# KiCad board panel.kicad_pcb (continued)
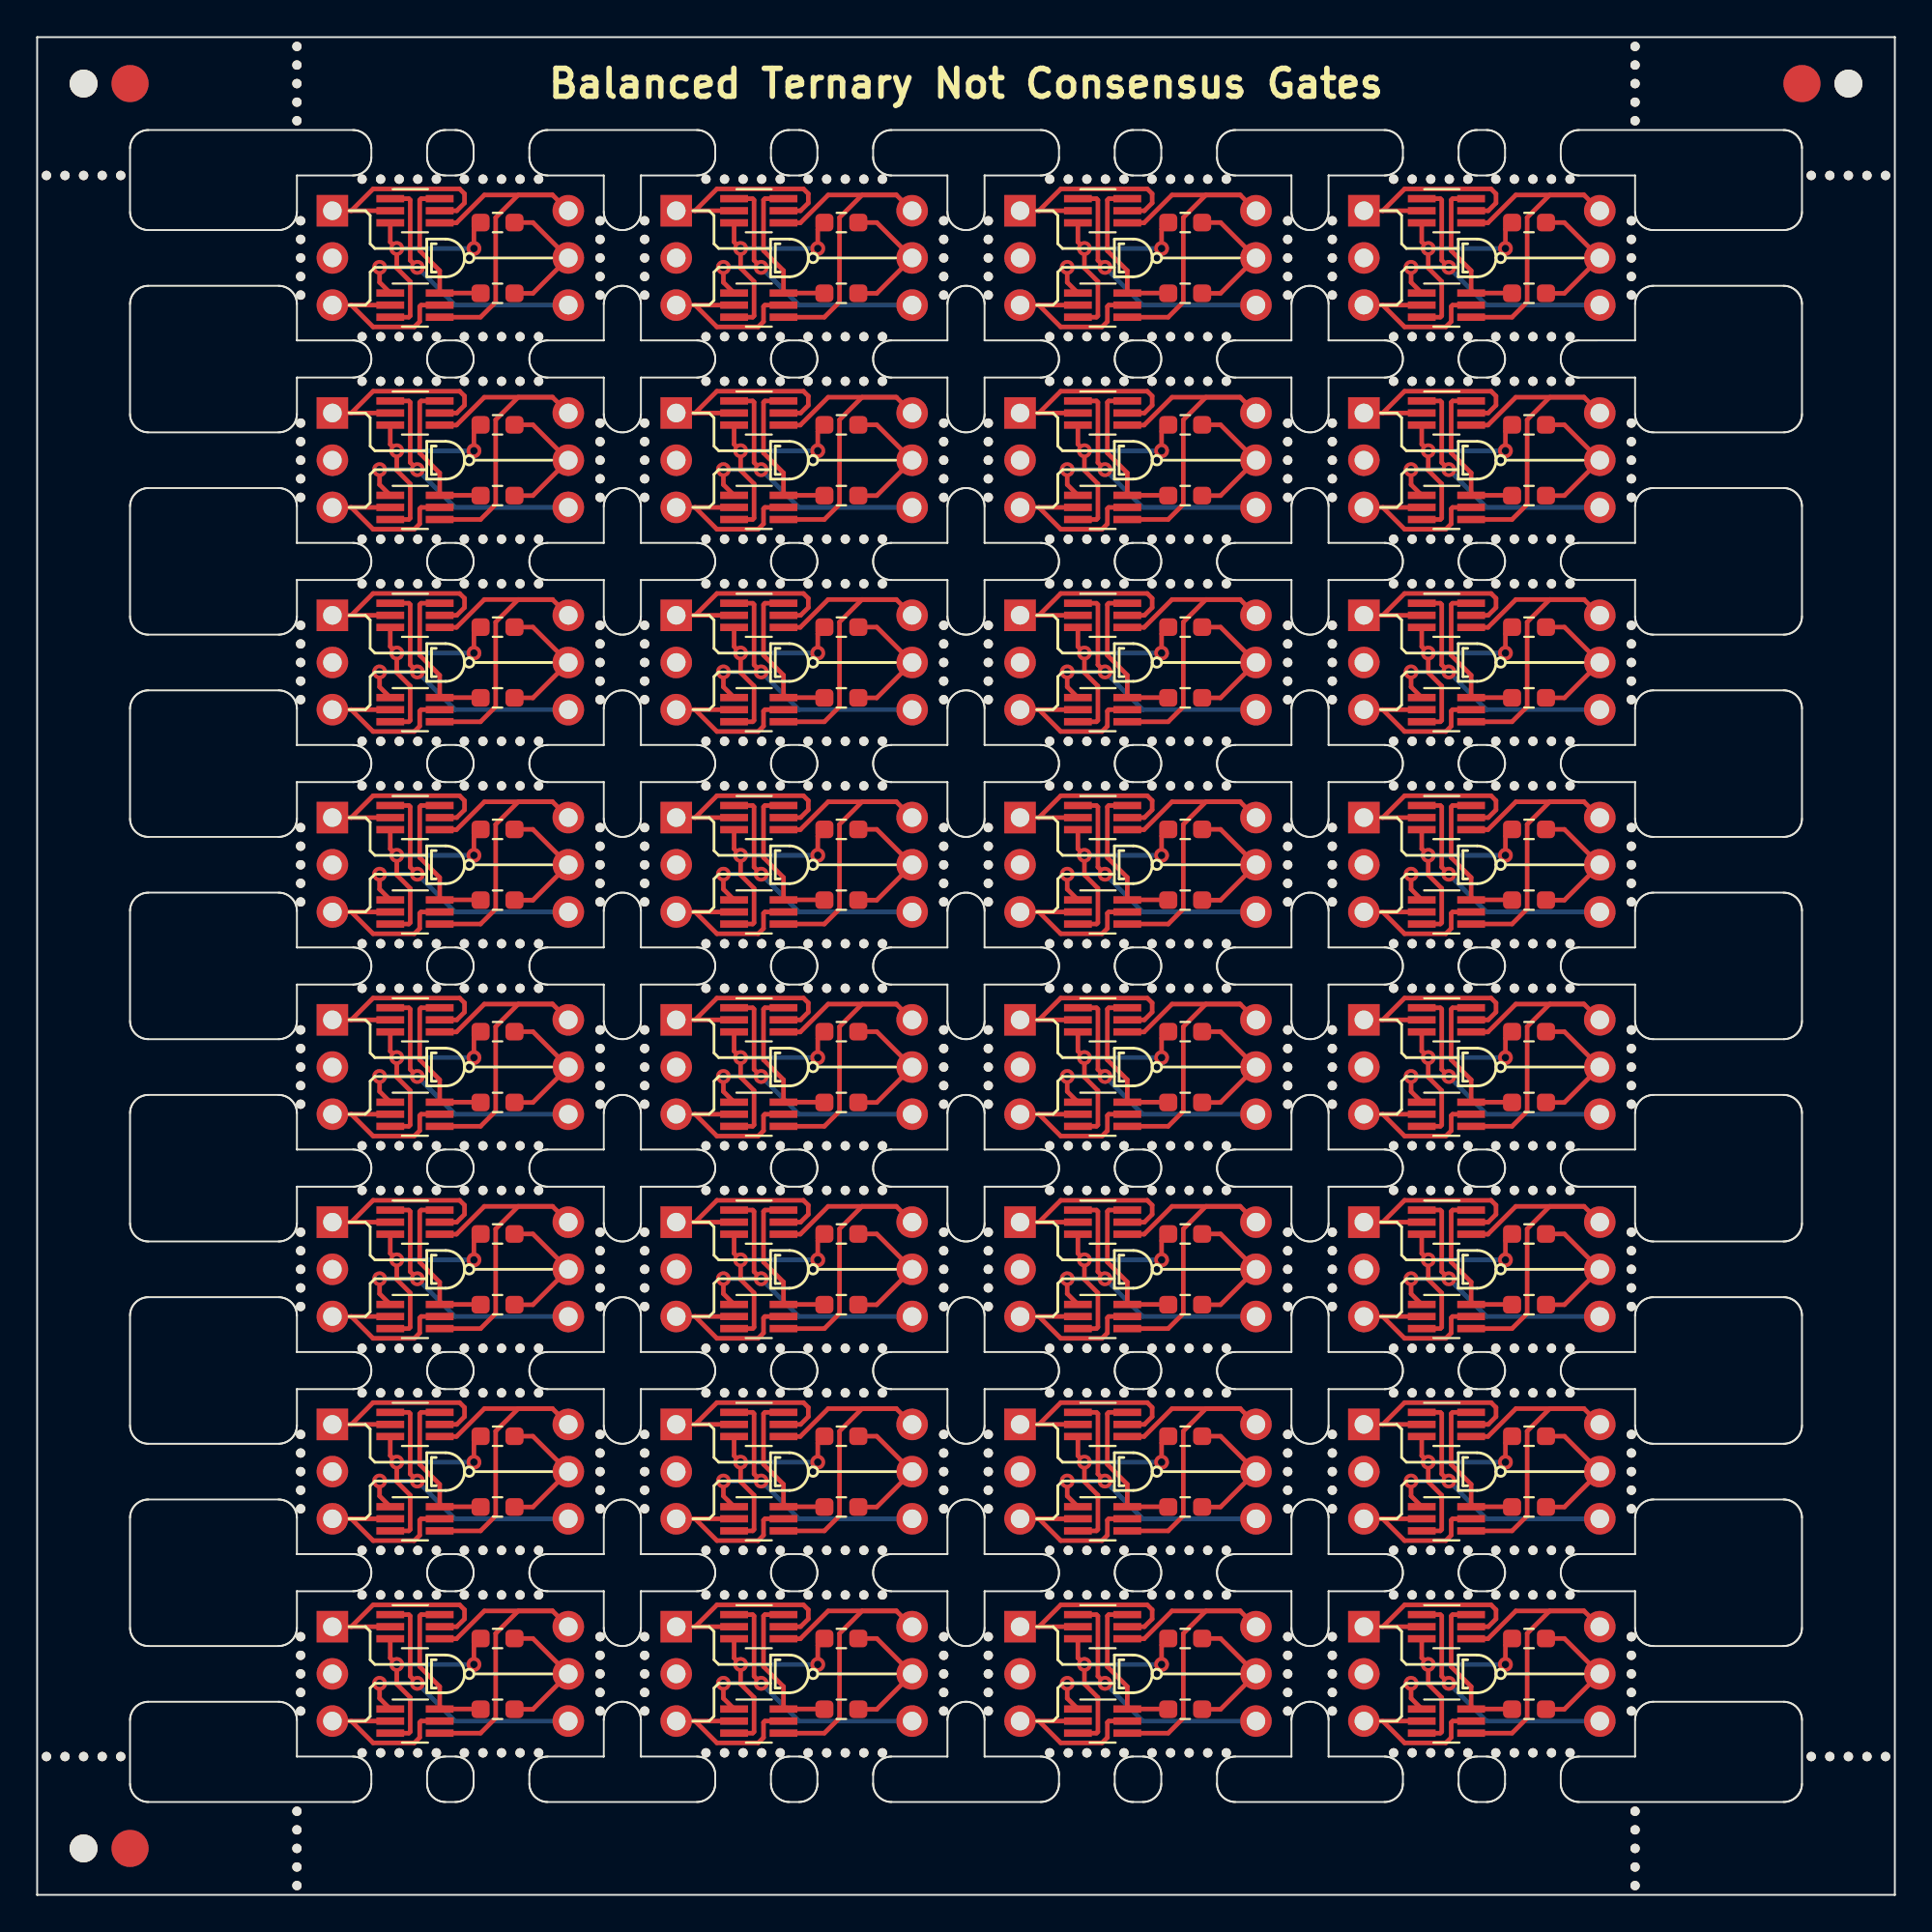
[diagram p0: board, top side]
## Routing (per net, layer and track width the routed paths; a pad name or vN(x,y) marks a point on that pad's centre or on a via; arc(x,y) is an arc through that point) (continued)
Board_8-A: length 9.3
  Top w0.25: J1#25.3 16.91,63.81 ; 16.91,63.81 18.09,62.63 20.31,62.63 20.59,62.92 20.59,63.73 20.67,63.81 Q2#28.5 ; 16.91,63.81 Q2#28.2
Board_8-B: length 11.8
  Top w0.25: 16.91,68.89 18.09,70.06 22.74,70.06 23.01,69.8 23.01,69.3 22.59,68.89 Q1#26.5 ; 16.91,68.89 Q1#26.2 ; 16.91,68.89 J1#25.1
Board_8-Net-(Q1-Pad3): length 12.3
  Top w0.25: v1(23.52,66.85) 23.52,67.89 R1#2.1 ; Q2#28.3 20.01,63.16 20.09,63.23 20.09,65.08 19.36,65.8 v1(19.36,66.85) 19.01,67.2 Q1#26.3
  Bottom w0.25: v1(23.52,66.85) v1(19.36,66.85)
Board_8-Net-(Q1-Pad6): length 8.8
  Top w0.25: Q1#26.6 20.67,69.54 20.59,69.46 20.59,66.73 21.67,65.66 Q2#28.6 23.86,64.46 R2#10.2
Board_8-Out: length 7.4
  Top w0.25: R1#2.2 26.69,68.25 J2#12.2 26.69,64.44 R2#10.1
Board_8-VDD: length 19.4
  Top w0.25: 27.74,69.74 25.9,69.74 24.69,68.52 24.69,63.97 23.87,63.16 Q2#28.4 ; 27.74,69.74 24.07,69.74 22.57,68.24 Q1#26.4 ; 27.74,69.74 J2#12.1
Board_8-VSS: length 17.5
  Top w0.25: v1(18.44,65.84) 18.44,65.03 Q2#28.1 ; v1(20.47,65.84) 20.09,66.22 20.09,69.46 20.01,69.54 Q1#26.1
  Bottom w0.25: v1(18.44,65.84) v1(20.47,65.84) 22.5,63.81 J2#12.3
Board_9-A: length 9.3
  Top w0.25: J1#29.3 35.42,63.81 ; 35.42,63.81 Q2#4.2 ; 35.42,63.81 36.6,62.63 38.82,62.63 39.1,62.92 39.1,63.73 39.18,63.81 Q2#4.5
Board_9-B: length 11.8
  Top w0.25: J1#29.1 35.42,68.89 ; 35.42,68.89 36.6,70.06 41.26,70.06 41.52,69.8 41.52,69.3 41.1,68.89 Q1#7.5 ; 35.42,68.89 Q1#7.2
Board_9-Net-(Q1-Pad3): length 12.3
  Top w0.25: Q2#4.3 38.52,63.16 38.59,63.23 38.59,65.08 37.87,65.8 v1(37.87,66.85) 37.52,67.2 Q1#7.3 ; R1#17.1 42.02,67.89 v1(42.02,66.85)
  Bottom w0.25: v1(42.02,66.85) v1(37.87,66.85)
Board_9-Net-(Q1-Pad6): length 8.8
  Top w0.25: Q1#7.6 39.18,69.54 39.1,69.46 39.1,66.73 40.18,65.66 Q2#4.6 42.37,64.46 R2.2
Board_9-Out: length 7.4
  Top w0.25: R1#17.2 45.2,68.25 J2#19.2 45.2,64.44 R2.1
Board_9-VDD: length 19.4
  Top w0.25: 46.26,69.74 44.41,69.74 43.2,68.52 43.2,63.97 42.38,63.16 Q2#4.4 ; 46.26,69.74 42.58,69.74 41.08,68.24 Q1#7.4 ; 46.26,69.74 J2#19.1
Board_9-VSS: length 17.5
  Top w0.25: v1(38.98,65.84) 38.59,66.22 38.59,69.46 38.52,69.54 Q1#7.1 ; Q2#4.1 36.95,65.03 v1(36.95,65.84)
  Bottom w0.25: v1(36.95,65.84) v1(38.98,65.84) 41.01,63.81 J2#19.3
Board_10-A: length 9.3
  Top w0.25: 53.93,63.81 Q2#12.2 ; 53.93,63.81 55.11,62.63 57.33,62.63 57.61,62.92 57.61,63.73 57.69,63.81 Q2#12.5 ; 53.93,63.81 J1#5.3
Board_10-B: length 11.8
  Top w0.25: 53.93,68.89 55.11,70.06 59.77,70.06 60.03,69.8 60.03,69.3 59.61,68.89 Q1#23.5 ; 53.93,68.89 Q1#23.2 ; 53.93,68.89 J1#5.1
Board_10-Net-(Q1-Pad3): length 12.3
  Top w0.25: v1(60.53,66.85) 60.53,67.89 R1#25.1 ; Q1#23.3 56.03,67.2 v1(56.38,66.85) 56.38,65.8 57.11,65.08 57.11,63.23 57.03,63.16 Q2#12.3
  Bottom w0.25: v1(60.53,66.85) v1(56.38,66.85)
Board_10-Net-(Q1-Pad6): length 8.8
  Top w0.25: Q1#23.6 57.69,69.54 57.61,69.46 57.61,66.73 58.69,65.66 Q2#12.6 60.88,64.46 R2#31.2
Board_10-Out: length 7.4
  Top w0.25: R1#25.2 63.71,68.25 J2#2.2 63.71,64.44 R2#31.1
Board_10-VDD: length 19.4
  Top w0.25: Q1#23.4 59.59,68.24 61.09,69.74 64.77,69.74 ; 64.77,69.74 62.92,69.74 61.7,68.52 61.7,63.97 60.89,63.16 Q2#12.4 ; 64.77,69.74 J2#2.1
Board_10-VSS: length 17.5
  Top w0.25: v1(55.45,65.84) 55.45,65.03 Q2#12.1 ; v1(57.49,65.84) 57.11,66.22 57.11,69.46 57.03,69.54 Q1#23.1
  Bottom w0.25: J2#2.3 59.52,63.81 v1(57.49,65.84) v1(55.45,65.84)
Board_11-A: length 9.3
  Top w0.25: Q2#6.5 76.2,63.81 76.12,63.73 76.12,62.92 75.84,62.63 73.62,62.63 72.44,63.81 ; J1#6.3 72.44,63.81 ; 72.44,63.81 Q2#6.2
Board_11-B: length 11.8
  Top w0.25: J1#6.1 72.44,68.89 ; 72.44,68.89 73.62,70.06 78.28,70.06 78.54,69.8 78.54,69.3 78.12,68.89 Q1#22.5 ; 72.44,68.89 Q1#22.2
Board_11-Net-(Q1-Pad3): length 12.3
  Top w0.25: R1#30.1 79.05,67.89 v1(79.05,66.85) ; Q2#6.3 75.54,63.16 75.61,63.23 75.61,65.08 74.89,65.8 v1(74.89,66.85) 74.54,67.2 Q1#22.3
  Bottom w0.25: v1(79.05,66.85) v1(74.89,66.85)
Board_11-Net-(Q1-Pad6): length 8.8
  Top w0.25: Q1#22.6 76.2,69.54 76.12,69.46 76.12,66.73 77.2,65.66 Q2#6.6 79.39,64.46 R2#13.2
Board_11-Out: length 7.4
  Top w0.25: R2#13.1 82.22,64.44 J2#14.2 82.22,68.25 R1#30.2
Board_11-VDD: length 19.4
  Top w0.25: 83.28,69.74 81.43,69.74 80.22,68.52 80.22,63.97 79.4,63.16 Q2#6.4 ; 83.28,69.74 79.6,69.74 78.1,68.24 Q1#22.4 ; 83.28,69.74 J2#14.1
Board_11-VSS: length 17.5
  Top w0.25: Q2#6.1 73.97,65.03 v1(73.97,65.84) ; Q1#22.1 75.54,69.54 75.61,69.46 75.61,66.22 v1(76,65.84)
  Bottom w0.25: J2#14.3 78.03,63.81 v1(76,65.84) v1(73.97,65.84)
Board_12-A: length 9.3
  Top w0.25: 16.91,52.92 18.09,51.74 20.31,51.74 20.59,52.03 20.59,52.84 20.67,52.92 Q2#21.5 ; 16.91,52.92 Q2#21.2 ; 16.91,52.92 J1#26.3
Board_12-B: length 11.8
  Top w0.25: Q1#12.5 22.59,58 23.01,58.41 23.01,58.91 22.74,59.17 18.09,59.17 16.91,58 ; J1#26.1 16.91,58 ; 16.91,58 Q1#12.2
Board_12-Net-(Q1-Pad3): length 12.3
  Top w0.25: R1#29.1 23.52,57 v1(23.52,55.96) ; Q2#21.3 20.01,52.27 20.09,52.34 20.09,54.19 19.36,54.91 v1(19.36,55.96) 19.01,56.31 Q1#12.3
  Bottom w0.25: v1(23.52,55.96) v1(19.36,55.96)
Board_12-Net-(Q1-Pad6): length 8.8
  Top w0.25: Q1#12.6 20.67,58.65 20.59,58.57 20.59,55.84 21.67,54.77 Q2#21.6 23.86,53.57 R2#27.2
Board_12-Out: length 7.4
  Top w0.25: R2#27.1 26.69,53.55 J2#8.2 26.69,57.36 R1#29.2
Board_12-VDD: length 19.4
  Top w0.25: Q1#12.4 22.57,57.35 24.07,58.85 27.74,58.85 ; 27.74,58.85 25.9,58.85 24.69,57.63 24.69,53.08 23.87,52.27 Q2#21.4 ; 27.74,58.85 J2#8.1
Board_12-VSS: length 17.5
  Top w0.25: Q1#12.1 20.01,58.65 20.09,58.57 20.09,55.33 v1(20.47,54.95) ; Q2#21.1 18.44,54.14 v1(18.44,54.95)
  Bottom w0.25: J2#8.3 22.5,52.92 v1(20.47,54.95) v1(18.44,54.95)
Board_13-A: length 9.3
  Top w0.25: 35.42,52.92 Q2#32.2 ; 35.42,52.92 J1#4.3 ; 35.42,52.92 36.6,51.74 38.82,51.74 39.1,52.03 39.1,52.84 39.18,52.92 Q2#32.5
Board_13-B: length 11.8
  Top w0.25: J1#4.1 35.42,58 ; 35.42,58 36.6,59.17 41.26,59.17 41.52,58.91 41.52,58.41 41.1,58 Q1#30.5 ; 35.42,58 Q1#30.2
Board_13-Net-(Q1-Pad3): length 12.3
  Top w0.25: v1(42.02,55.96) 42.02,57 R1#28.1 ; Q1#30.3 37.52,56.31 v1(37.87,55.96) 37.87,54.91 38.59,54.19 38.59,52.34 38.52,52.27 Q2#32.3
  Bottom w0.25: v1(42.02,55.96) v1(37.87,55.96)
Board_13-Net-(Q1-Pad6): length 8.8
  Top w0.25: R2#22.2 42.37,53.57 Q2#32.6 40.18,54.77 39.1,55.84 39.1,58.57 39.18,58.65 Q1#30.6
Board_13-Out: length 7.4
  Top w0.25: R2#22.1 45.2,53.55 J2#25.2 45.2,57.36 R1#28.2
Board_13-VDD: length 19.4
  Top w0.25: Q2#32.4 42.38,52.27 43.2,53.08 43.2,57.63 44.41,58.85 46.26,58.85 ; 46.26,58.85 42.58,58.85 41.08,57.35 Q1#30.4 ; 46.26,58.85 J2#25.1
Board_13-VSS: length 17.5
  Top w0.25: v1(36.95,54.95) 36.95,54.14 Q2#32.1 ; v1(38.98,54.95) 38.59,55.33 38.59,58.57 38.52,58.65 Q1#30.1
  Bottom w0.25: J2#25.3 41.01,52.92 v1(38.98,54.95) v1(36.95,54.95)
Board_14-A: length 9.3
  Top w0.25: Q2#5.5 57.69,52.92 57.61,52.84 57.61,52.03 57.33,51.74 55.11,51.74 53.93,52.92 ; 53.93,52.92 Q2#5.2 ; 53.93,52.92 J1#31.3
Board_14-B: length 11.8
  Top w0.25: 53.93,58 Q1#19.2 ; 53.93,58 55.11,59.17 59.77,59.17 60.03,58.91 60.03,58.41 59.61,58 Q1#19.5 ; 53.93,58 J1#31.1
Board_14-Net-(Q1-Pad3): length 12.3
  Top w0.25: v1(60.53,55.96) 60.53,57 R1#9.1 ; Q2#5.3 57.03,52.27 57.11,52.34 57.11,54.19 56.38,54.91 v1(56.38,55.96) 56.03,56.31 Q1#19.3
  Bottom w0.25: v1(60.53,55.96) v1(56.38,55.96)
Board_14-Net-(Q1-Pad6): length 8.8
  Top w0.25: Q1#19.6 57.69,58.65 57.61,58.57 57.61,55.84 58.69,54.77 Q2#5.6 60.88,53.57 R2#9.2
Board_14-Out: length 7.4
  Top w0.25: R2#9.1 63.71,53.55 J2#16.2 63.71,57.36 R1#9.2
Board_14-VDD: length 19.4
  Top w0.25: Q2#5.4 60.89,52.27 61.7,53.08 61.7,57.63 62.92,58.85 64.77,58.85 ; 64.77,58.85 J2#16.1 ; 64.77,58.85 61.09,58.85 59.59,57.35 Q1#19.4
Board_14-VSS: length 17.5
  Top w0.25: Q1#19.1 57.03,58.65 57.11,58.57 57.11,55.33 v1(57.49,54.95) ; Q2#5.1 55.45,54.14 v1(55.45,54.95)
  Bottom w0.25: J2#16.3 59.52,52.92 v1(57.49,54.95) v1(55.45,54.95)
Board_15-A: length 9.3
  Top w0.25: Q2#31.5 76.2,52.92 76.12,52.84 76.12,52.03 75.84,51.74 73.62,51.74 72.44,52.92 ; 72.44,52.92 Q2#31.2 ; 72.44,52.92 J1#20.3
Board_15-B: length 11.8
  Top w0.25: 72.44,58 73.62,59.17 78.28,59.17 78.54,58.91 78.54,58.41 78.12,58 Q1#16.5 ; 72.44,58 Q1#16.2 ; 72.44,58 J1#20.1
Board_15-Net-(Q1-Pad3): length 12.3
  Top w0.25: Q2#31.3 75.54,52.27 75.61,52.34 75.61,54.19 74.89,54.91 v1(74.89,55.96) 74.54,56.31 Q1#16.3 ; v1(79.05,55.96) 79.05,57 R1#15.1
  Bottom w0.25: v1(79.05,55.96) v1(74.89,55.96)
Board_15-Net-(Q1-Pad6): length 8.8
  Top w0.25: R2#15.2 79.39,53.57 Q2#31.6 77.2,54.77 76.12,55.84 76.12,58.57 76.2,58.65 Q1#16.6
Board_15-Out: length 7.4
  Top w0.25: R1#15.2 82.22,57.36 J2#26.2 82.22,53.55 R2#15.1
Board_15-VDD: length 19.4
  Top w0.25: 83.28,58.85 79.6,58.85 78.1,57.35 Q1#16.4 ; 83.28,58.85 J2#26.1 ; 83.28,58.85 81.43,58.85 80.22,57.63 80.22,53.08 79.4,52.27 Q2#31.4
Board_15-VSS: length 17.5
  Top w0.25: v1(76,54.95) 75.61,55.33 75.61,58.57 75.54,58.65 Q1#16.1 ; Q2#31.1 73.97,54.14 v1(73.97,54.95)
  Bottom w0.25: J2#26.3 78.03,52.92 v1(76,54.95) v1(73.97,54.95)
Board_16-A: length 9.3
  Top w0.25: Q2#29.5 20.67,42.03 20.59,41.95 20.59,41.14 20.31,40.85 18.09,40.85 16.91,42.03 ; 16.91,42.03 J1#24.3 ; 16.91,42.03 Q2#29.2
Board_16-B: length 11.8
  Top w0.25: 16.91,47.11 Q1#5.2 ; 16.91,47.11 J1#24.1 ; 16.91,47.11 18.09,48.28 22.74,48.28 23.01,48.02 23.01,47.52 22.59,47.11 Q1#5.5
Board_16-Net-(Q1-Pad3): length 12.3
  Top w0.25: Q2#29.3 20.01,41.38 20.09,41.45 20.09,43.3 19.36,44.02 v1(19.36,45.07) 19.01,45.42 Q1#5.3 ; v1(23.52,45.07) 23.52,46.11 R1#7.1
  Bottom w0.25: v1(23.52,45.07) v1(19.36,45.07)
Board_16-Net-(Q1-Pad6): length 8.8
  Top w0.25: R2#11.2 23.86,42.68 Q2#29.6 21.67,43.88 20.59,44.95 20.59,47.68 20.67,47.76 Q1#5.6
Board_16-Out: length 7.4
  Top w0.25: R1#7.2 26.69,46.47 J2#30.2 26.69,42.66 R2#11.1
Board_16-VDD: length 19.4
  Top w0.25: Q1#5.4 22.57,46.46 24.07,47.96 27.74,47.96 ; 27.74,47.96 25.9,47.96 24.69,46.74 24.69,42.19 23.87,41.38 Q2#29.4 ; 27.74,47.96 J2#30.1
Board_16-VSS: length 17.5
  Top w0.25: v1(18.44,44.06) 18.44,43.25 Q2#29.1 ; v1(20.47,44.06) 20.09,44.44 20.09,47.68 20.01,47.76 Q1#5.1
  Bottom w0.25: v1(18.44,44.06) v1(20.47,44.06) 22.5,42.03 J2#30.3
Board_17-A: length 9.3
  Top w0.25: 35.42,42.03 Q2#30.2 ; 35.42,42.03 J1.3 ; 35.42,42.03 36.6,40.85 38.82,40.85 39.1,41.14 39.1,41.95 39.18,42.03 Q2#30.5
Board_17-B: length 11.8
  Top w0.25: 35.42,47.11 Q1#10.2 ; 35.42,47.11 J1.1 ; 35.42,47.11 36.6,48.28 41.26,48.28 41.52,48.02 41.52,47.52 41.1,47.11 Q1#10.5
Board_17-Net-(Q1-Pad3): length 12.3
  Top w0.25: Q2#30.3 38.52,41.38 38.59,41.45 38.59,43.3 37.87,44.02 v1(37.87,45.07) 37.52,45.42 Q1#10.3 ; R1#10.1 42.02,46.11 v1(42.02,45.07)
  Bottom w0.25: v1(42.02,45.07) v1(37.87,45.07)
Board_17-Net-(Q1-Pad6): length 8.8
  Top w0.25: R2#24.2 42.37,42.68 Q2#30.6 40.18,43.88 39.1,44.95 39.1,47.68 39.18,47.76 Q1#10.6
Board_17-Out: length 7.4
  Top w0.25: R2#24.1 45.2,42.66 J2#18.2 45.2,46.47 R1#10.2
Board_17-VDD: length 19.4
  Top w0.25: Q2#30.4 42.38,41.38 43.2,42.19 43.2,46.74 44.41,47.96 46.26,47.96 ; 46.26,47.96 42.58,47.96 41.08,46.46 Q1#10.4 ; 46.26,47.96 J2#18.1
Board_17-VSS: length 17.5
  Top w0.25: v1(38.98,44.06) 38.59,44.44 38.59,47.68 38.52,47.76 Q1#10.1 ; Q2#30.1 36.95,43.25 v1(36.95,44.06)
  Bottom w0.25: v1(36.95,44.06) v1(38.98,44.06) 41.01,42.03 J2#18.3
Board_18-A: length 9.3
  Top w0.25: 53.93,42.03 Q2#19.2 ; 53.93,42.03 J1#9.3 ; 53.93,42.03 55.11,40.85 57.33,40.85 57.61,41.14 57.61,41.95 57.69,42.03 Q2#19.5
Board_18-B: length 11.8
  Top w0.25: 53.93,47.11 Q1#24.2 ; 53.93,47.11 55.11,48.28 59.77,48.28 60.03,48.02 60.03,47.52 59.61,47.11 Q1#24.5 ; 53.93,47.11 J1#9.1
Board_18-Net-(Q1-Pad3): length 12.3
  Top w0.25: v1(60.53,45.07) 60.53,46.11 R1#11.1 ; Q2#19.3 57.03,41.38 57.11,41.45 57.11,43.3 56.38,44.02 v1(56.38,45.07) 56.03,45.42 Q1#24.3
  Bottom w0.25: v1(60.53,45.07) v1(56.38,45.07)
Board_18-Net-(Q1-Pad6): length 8.8
  Top w0.25: Q1#24.6 57.69,47.76 57.61,47.68 57.61,44.95 58.69,43.88 Q2#19.6 60.88,42.68 R2#32.2
Board_18-Out: length 7.4
  Top w0.25: R1#11.2 63.71,46.47 J2#17.2 63.71,42.66 R2#32.1
Board_18-VDD: length 19.4
  Top w0.25: Q1#24.4 59.59,46.46 61.09,47.96 64.77,47.96 ; 64.77,47.96 62.92,47.96 61.7,46.74 61.7,42.19 60.89,41.38 Q2#19.4 ; 64.77,47.96 J2#17.1
Board_18-VSS: length 17.5
  Top w0.25: v1(57.49,44.06) 57.11,44.44 57.11,47.68 57.03,47.76 Q1#24.1 ; v1(55.45,44.06) 55.45,43.25 Q2#19.1
  Bottom w0.25: v1(55.45,44.06) v1(57.49,44.06) 59.52,42.03 J2#17.3
Board_19-A: length 9.3
  Top w0.25: J1#19.3 72.44,42.03 ; 72.44,42.03 Q2.2 ; 72.44,42.03 73.62,40.85 75.84,40.85 76.12,41.14 76.12,41.95 76.2,42.03 Q2.5
Board_19-B: length 11.8
  Top w0.25: J1#19.1 72.44,47.11 ; 72.44,47.11 73.62,48.28 78.28,48.28 78.54,48.02 78.54,47.52 78.12,47.11 Q1#9.5 ; 72.44,47.11 Q1#9.2
Board_19-Net-(Q1-Pad3): length 12.3
  Top w0.25: Q2.3 75.54,41.38 75.61,41.45 75.61,43.3 74.89,44.02 v1(74.89,45.07) 74.54,45.42 Q1#9.3 ; v1(79.05,45.07) 79.05,46.11 R1#3.1
  Bottom w0.25: v1(79.05,45.07) v1(74.89,45.07)
Board_19-Net-(Q1-Pad6): length 8.8
  Top w0.25: Q1#9.6 76.2,47.76 76.12,47.68 76.12,44.95 77.2,43.88 Q2.6 79.39,42.68 R2#29.2
Board_19-Out: length 7.4
  Top w0.25: R2#29.1 82.22,42.66 J2#22.2 82.22,46.47 R1#3.2
Board_19-VDD: length 19.4
  Top w0.25: 83.28,47.96 81.43,47.96 80.22,46.74 80.22,42.19 79.4,41.38 Q2.4 ; 83.28,47.96 J2#22.1 ; 83.28,47.96 79.6,47.96 78.1,46.46 Q1#9.4
Board_19-VSS: length 17.5
  Top w0.25: Q1#9.1 75.54,47.76 75.61,47.68 75.61,44.44 v1(76,44.06) ; v1(73.97,44.06) 73.97,43.25 Q2.1
  Bottom w0.25: v1(73.97,44.06) v1(76,44.06) 78.03,42.03 J2#22.3
Board_20-A: length 9.3
  Top w0.25: 16.91,31.14 18.09,29.96 20.31,29.96 20.59,30.25 20.59,31.06 20.67,31.14 Q2#20.5 ; 16.91,31.14 Q2#20.2 ; 16.91,31.14 J1#2.3
Board_20-B: length 11.8
  Top w0.25: J1#2.1 16.91,36.22 ; 16.91,36.22 Q1#31.2 ; 16.91,36.22 18.09,37.39 22.74,37.39 23.01,37.13 23.01,36.63 22.59,36.22 Q1#31.5
Board_20-Net-(Q1-Pad3): length 12.3
  Top w0.25: Q2#20.3 20.01,30.49 20.09,30.56 20.09,32.41 19.36,33.13 v1(19.36,34.18) 19.01,34.53 Q1#31.3 ; v1(23.52,34.18) 23.52,35.22 R1#6.1
  Bottom w0.25: v1(23.52,34.18) v1(19.36,34.18)
Board_20-Net-(Q1-Pad6): length 8.8
  Top w0.25: Q1#31.6 20.67,36.87 20.59,36.79 20.59,34.06 21.67,32.99 Q2#20.6 23.86,31.79 R2#23.2
Board_20-Out: length 7.4
  Top w0.25: R2#23.1 26.69,31.77 J2#9.2 26.69,35.58 R1#6.2
Board_20-VDD: length 19.4
  Top w0.25: 27.74,37.07 24.07,37.07 22.57,35.57 Q1#31.4 ; 27.74,37.07 25.9,37.07 24.69,35.85 24.69,31.3 23.87,30.49 Q2#20.4 ; 27.74,37.07 J2#9.1
Board_20-VSS: length 17.5
  Top w0.25: v1(20.47,33.17) 20.09,33.55 20.09,36.79 20.01,36.87 Q1#31.1 ; Q2#20.1 18.44,32.36 v1(18.44,33.17)
  Bottom w0.25: v1(18.44,33.17) v1(20.47,33.17) 22.5,31.14 J2#9.3
Board_21-A: length 9.3
  Top w0.25: 35.42,31.14 36.6,29.96 38.82,29.96 39.1,30.25 39.1,31.06 39.18,31.14 Q2#22.5 ; 35.42,31.14 J1#7.3 ; 35.42,31.14 Q2#22.2
Board_21-B: length 11.8
  Top w0.25: 35.42,36.22 Q1#11.2 ; 35.42,36.22 36.6,37.39 41.26,37.39 41.52,37.13 41.52,36.63 41.1,36.22 Q1#11.5 ; 35.42,36.22 J1#7.1
Board_21-Net-(Q1-Pad3): length 12.3
  Top w0.25: v1(42.02,34.18) 42.02,35.22 R1#21.1 ; Q1#11.3 37.52,34.53 v1(37.87,34.18) 37.87,33.13 38.59,32.41 38.59,30.56 38.52,30.49 Q2#22.3
  Bottom w0.25: v1(42.02,34.18) v1(37.87,34.18)
Board_21-Net-(Q1-Pad6): length 8.8
  Top w0.25: Q1#11.6 39.18,36.87 39.1,36.79 39.1,34.06 40.18,32.99 Q2#22.6 42.37,31.79 R2#26.2
Board_21-Out: length 7.4
  Top w0.25: R2#26.1 45.2,31.77 J2#15.2 45.2,35.58 R1#21.2
Board_21-VDD: length 19.4
  Top w0.25: Q2#22.4 42.38,30.49 43.2,31.3 43.2,35.85 44.41,37.07 46.26,37.07 ; 46.26,37.07 42.58,37.07 41.08,35.57 Q1#11.4 ; 46.26,37.07 J2#15.1
Board_21-VSS: length 17.5
  Top w0.25: v1(36.95,33.17) 36.95,32.36 Q2#22.1 ; v1(38.98,33.17) 38.59,33.55 38.59,36.79 38.52,36.87 Q1#11.1
  Bottom w0.25: v1(36.95,33.17) v1(38.98,33.17) 41.01,31.14 J2#15.3
Board_22-A: length 9.3
  Top w0.25: 53.93,31.14 Q2#17.2 ; 53.93,31.14 J1#10.3 ; 53.93,31.14 55.11,29.96 57.33,29.96 57.61,30.25 57.61,31.06 57.69,31.14 Q2#17.5
Board_22-B: length 11.8
  Top w0.25: Q1#4.5 59.61,36.22 60.03,36.63 60.03,37.13 59.77,37.39 55.11,37.39 53.93,36.22 ; J1#10.1 53.93,36.22 ; 53.93,36.22 Q1#4.2
Board_22-Net-(Q1-Pad3): length 12.3
  Top w0.25: Q1#4.3 56.03,34.53 v1(56.38,34.18) 56.38,33.13 57.11,32.41 57.11,30.56 57.03,30.49 Q2#17.3 ; v1(60.53,34.18) 60.53,35.22 R1#4.1
  Bottom w0.25: v1(60.53,34.18) v1(56.38,34.18)
Board_22-Net-(Q1-Pad6): length 8.8
  Top w0.25: Q1#4.6 57.69,36.87 57.61,36.79 57.61,34.06 58.69,32.99 Q2#17.6 60.88,31.79 R2#7.2
Board_22-Out: length 7.4
  Top w0.25: R1#4.2 63.71,35.58 J2#13.2 63.71,31.77 R2#7.1
Board_22-VDD: length 19.4
  Top w0.25: 64.77,37.07 J2#13.1 ; 64.77,37.07 62.92,37.07 61.7,35.85 61.7,31.3 60.89,30.49 Q2#17.4 ; 64.77,37.07 61.09,37.07 59.59,35.57 Q1#4.4
Board_22-VSS: length 17.5
  Top w0.25: Q2#17.1 55.45,32.36 v1(55.45,33.17) ; v1(57.49,33.17) 57.11,33.55 57.11,36.79 57.03,36.87 Q1#4.1
  Bottom w0.25: v1(55.45,33.17) v1(57.49,33.17) 59.52,31.14 J2#13.3
Board_23-A: length 9.3
  Top w0.25: J1#15.3 72.44,31.14 ; 72.44,31.14 73.62,29.96 75.84,29.96 76.12,30.25 76.12,31.06 76.2,31.14 Q2#18.5 ; 72.44,31.14 Q2#18.2
Board_23-B: length 11.8
  Top w0.25: 72.44,36.22 Q1#27.2 ; 72.44,36.22 73.62,37.39 78.28,37.39 78.54,37.13 78.54,36.63 78.12,36.22 Q1#27.5 ; 72.44,36.22 J1#15.1
Board_23-Net-(Q1-Pad3): length 12.3
  Top w0.25: R1#27.1 79.05,35.22 v1(79.05,34.18) ; Q2#18.3 75.54,30.49 75.61,30.56 75.61,32.41 74.89,33.13 v1(74.89,34.18) 74.54,34.53 Q1#27.3
  Bottom w0.25: v1(79.05,34.18) v1(74.89,34.18)
Board_23-Net-(Q1-Pad6): length 8.8
  Top w0.25: Q1#27.6 76.2,36.87 76.12,36.79 76.12,34.06 77.2,32.99 Q2#18.6 79.39,31.79 R2#8.2
Board_23-Out: length 7.4
  Top w0.25: R1#27.2 82.22,35.58 J2#10.2 82.22,31.77 R2#8.1
Board_23-VDD: length 19.4
  Top w0.25: 83.28,37.07 81.43,37.07 80.22,35.85 80.22,31.3 79.4,30.49 Q2#18.4 ; 83.28,37.07 J2#10.1 ; 83.28,37.07 79.6,37.07 78.1,35.57 Q1#27.4
Board_23-VSS: length 17.5
  Top w0.25: Q2#18.1 73.97,32.36 v1(73.97,33.17) ; v1(76,33.17) 75.61,33.55 75.61,36.79 75.54,36.87 Q1#27.1
  Bottom w0.25: v1(73.97,33.17) v1(76,33.17) 78.03,31.14 J2#10.3
Board_24-A: length 9.3
  Top w0.25: J1#23.3 16.91,20.25 ; 16.91,20.25 Q2#16.2 ; 16.91,20.25 18.09,19.07 20.31,19.07 20.59,19.36 20.59,20.17 20.67,20.25 Q2#16.5
Board_24-B: length 11.8
  Top w0.25: J1#23.1 16.91,25.33 ; 16.91,25.33 18.09,26.5 22.74,26.5 23.01,26.24 23.01,25.74 22.59,25.33 Q1#29.5 ; 16.91,25.33 Q1#29.2
Board_24-Net-(Q1-Pad3): length 12.3
  Top w0.25: R1#23.1 23.52,24.33 v1(23.52,23.29) ; Q2#16.3 20.01,19.6 20.09,19.67 20.09,21.52 19.36,22.24 v1(19.36,23.29) 19.01,23.64 Q1#29.3
  Bottom w0.25: v1(23.52,23.29) v1(19.36,23.29)
Board_24-Net-(Q1-Pad6): length 8.8
  Top w0.25: R2#5.2 23.86,20.9 Q2#16.6 21.67,22.1 20.59,23.17 20.59,25.9 20.67,25.98 Q1#29.6
Board_24-Out: length 7.4
  Top w0.25: R1#23.2 26.69,24.69 J2#20.2 26.69,20.88 R2#5.1
Board_24-VDD: length 19.4
  Top w0.25: 27.74,26.18 J2#20.1 ; 27.74,26.18 25.9,26.18 24.69,24.96 24.69,20.41 23.87,19.6 Q2#16.4 ; 27.74,26.18 24.07,26.18 22.57,24.68 Q1#29.4
Board_24-VSS: length 17.5
  Top w0.25: v1(18.44,22.28) 18.44,21.47 Q2#16.1 ; Q1#29.1 20.01,25.98 20.09,25.9 20.09,22.66 v1(20.47,22.28)
  Bottom w0.25: v1(18.44,22.28) v1(20.47,22.28) 22.5,20.25 J2#20.3
Board_25-A: length 9.3
  Top w0.25: 35.42,20.25 36.6,19.07 38.82,19.07 39.1,19.36 39.1,20.17 39.18,20.25 Q2#13.5 ; 35.42,20.25 J1#17.3 ; 35.42,20.25 Q2#13.2
Board_25-B: length 11.8
  Top w0.25: 35.42,25.33 Q1#13.2 ; 35.42,25.33 36.6,26.5 41.26,26.5 41.52,26.24 41.52,25.74 41.1,25.33 Q1#13.5 ; 35.42,25.33 J1#17.1
Board_25-Net-(Q1-Pad3): length 12.3
  Top w0.25: Q2#13.3 38.52,19.6 38.59,19.67 38.59,21.52 37.87,22.24 v1(37.87,23.29) 37.52,23.64 Q1#13.3 ; v1(42.02,23.29) 42.02,24.33 R1#31.1
  Bottom w0.25: v1(42.02,23.29) v1(37.87,23.29)
Board_25-Net-(Q1-Pad6): length 8.8
  Top w0.25: Q1#13.6 39.18,25.98 39.1,25.9 39.1,23.17 40.18,22.1 Q2#13.6 42.37,20.9 R2#30.2
Board_25-Out: length 7.4
  Top w0.25: R1#31.2 45.2,24.69 J2#23.2 45.2,20.88 R2#30.1
Board_25-VDD: length 19.4
  Top w0.25: Q2#13.4 42.38,19.6 43.2,20.41 43.2,24.96 44.41,26.18 46.26,26.18 ; Q1#13.4 41.08,24.68 42.58,26.18 46.26,26.18 ; 46.26,26.18 J2#23.1
Board_25-VSS: length 17.5
  Top w0.25: v1(38.98,22.28) 38.59,22.66 38.59,25.9 38.52,25.98 Q1#13.1 ; Q2#13.1 36.95,21.47 v1(36.95,22.28)
  Bottom w0.25: v1(36.95,22.28) v1(38.98,22.28) 41.01,20.25 J2#23.3
Board_26-A: length 9.3
  Top w0.25: 53.93,20.25 Q2#8.2 ; 53.93,20.25 55.11,19.07 57.33,19.07 57.61,19.36 57.61,20.17 57.69,20.25 Q2#8.5 ; 53.93,20.25 J1#18.3
Board_26-B: length 11.8
  Top w0.25: 53.93,25.33 55.11,26.5 59.77,26.5 60.03,26.24 60.03,25.74 59.61,25.33 Q1#32.5 ; 53.93,25.33 Q1#32.2 ; 53.93,25.33 J1#18.1
Board_26-Net-(Q1-Pad3): length 12.3
  Top w0.25: Q2#8.3 57.03,19.6 57.11,19.67 57.11,21.52 56.38,22.24 v1(56.38,23.29) 56.03,23.64 Q1#32.3 ; v1(60.53,23.29) 60.53,24.33 R1#5.1
  Bottom w0.25: v1(60.53,23.29) v1(56.38,23.29)
Board_26-Net-(Q1-Pad6): length 8.8
  Top w0.25: Q1#32.6 57.69,25.98 57.61,25.9 57.61,23.17 58.69,22.1 Q2#8.6 60.88,20.9 R2#3.2
Board_26-Out: length 7.4
  Top w0.25: R2#3.1 63.71,20.88 J2#31.2 63.71,24.69 R1#5.2
Board_26-VDD: length 19.4
  Top w0.25: 64.77,26.18 61.09,26.18 59.59,24.68 Q1#32.4 ; 64.77,26.18 J2#31.1 ; 64.77,26.18 62.92,26.18 61.7,24.96 61.7,20.41 60.89,19.6 Q2#8.4
Board_26-VSS: length 17.5
  Top w0.25: v1(55.45,22.28) 55.45,21.47 Q2#8.1 ; Q1#32.1 57.03,25.98 57.11,25.9 57.11,22.66 v1(57.49,22.28)
  Bottom w0.25: J2#31.3 59.52,20.25 v1(57.49,22.28) v1(55.45,22.28)
Board_27-A: length 9.3
  Top w0.25: 72.44,20.25 73.62,19.07 75.84,19.07 76.12,19.36 76.12,20.17 76.2,20.25 Q2#24.5 ; 72.44,20.25 J1#28.3 ; 72.44,20.25 Q2#24.2
Board_27-B: length 11.8
  Top w0.25: 72.44,25.33 73.62,26.5 78.28,26.5 78.54,26.24 78.54,25.74 78.12,25.33 Q1.5 ; 72.44,25.33 J1#28.1 ; 72.44,25.33 Q1.2
Board_27-Net-(Q1-Pad3): length 12.3
  Top w0.25: Q1.3 74.54,23.64 v1(74.89,23.29) 74.89,22.24 75.61,21.52 75.61,19.67 75.54,19.6 Q2#24.3 ; R1#20.1 79.05,24.33 v1(79.05,23.29)
  Bottom w0.25: v1(79.05,23.29) v1(74.89,23.29)
Board_27-Net-(Q1-Pad6): length 8.8
  Top w0.25: R2#21.2 79.39,20.9 Q2#24.6 77.2,22.1 76.12,23.17 76.12,25.9 76.2,25.98 Q1.6
Board_27-Out: length 7.4
  Top w0.25: R1#20.2 82.22,24.69 J2#6.2 82.22,20.88 R2#21.1
Board_27-VDD: length 19.4
  Top w0.25: 83.28,26.18 81.43,26.18 80.22,24.96 80.22,20.41 79.4,19.6 Q2#24.4 ; 83.28,26.18 J2#6.1 ; 83.28,26.18 79.6,26.18 78.1,24.68 Q1.4
Board_27-VSS: length 17.5
  Top w0.25: v1(73.97,22.28) 73.97,21.47 Q2#24.1 ; Q1.1 75.54,25.98 75.61,25.9 75.61,22.66 v1(76,22.28)
  Bottom w0.25: v1(73.97,22.28) v1(76,22.28) 78.03,20.25 J2#6.3
Board_28-A: length 9.3
  Top w0.25: Q2#3.5 20.67,9.36 20.59,9.28 20.59,8.47 20.31,8.18 18.09,8.18 16.91,9.36 ; 16.91,9.36 Q2#3.2 ; 16.91,9.36 J1#21.3
Board_28-B: length 11.8
  Top w0.25: 16.91,14.44 18.09,15.61 22.74,15.61 23.01,15.35 23.01,14.85 22.59,14.44 Q1#3.5 ; 16.91,14.44 Q1#3.2 ; 16.91,14.44 J1#21.1
Board_28-Net-(Q1-Pad3): length 12.3
  Top w0.25: v1(23.52,12.4) 23.52,13.44 R1#13.1 ; Q1#3.3 19.01,12.75 v1(19.36,12.4) 19.36,11.35 20.09,10.63 20.09,8.78 20.01,8.71 Q2#3.3
  Bottom w0.25: v1(23.52,12.4) v1(19.36,12.4)
Board_28-Net-(Q1-Pad6): length 8.8
  Top w0.25: R2#19.2 23.86,10.01 Q2#3.6 21.67,11.21 20.59,12.28 20.59,15.01 20.67,15.09 Q1#3.6
Board_28-Out: length 7.4
  Top w0.25: R1#13.2 26.69,13.8 J2#21.2 26.69,9.99 R2#19.1
Board_28-VDD: length 19.4
  Top w0.25: 27.74,15.29 24.07,15.29 22.57,13.79 Q1#3.4 ; 27.74,15.29 25.9,15.29 24.69,14.07 24.69,9.52 23.87,8.71 Q2#3.4 ; 27.74,15.29 J2#21.1
Board_28-VSS: length 17.5
  Top w0.25: Q1#3.1 20.01,15.09 20.09,15.01 20.09,11.77 v1(20.47,11.39) ; v1(18.44,11.39) 18.44,10.58 Q2#3.1
  Bottom w0.25: v1(18.44,11.39) v1(20.47,11.39) 22.5,9.36 J2#21.3
Board_29-A: length 9.3
  Top w0.25: 35.42,9.36 Q2#9.2 ; 35.42,9.36 J1#27.3 ; 35.42,9.36 36.6,8.18 38.82,8.18 39.1,8.47 39.1,9.28 39.18,9.36 Q2#9.5
Board_29-B: length 11.8
  Top w0.25: Q1#20.5 41.1,14.44 41.52,14.85 41.52,15.35 41.26,15.61 36.6,15.61 35.42,14.44 ; 35.42,14.44 J1#27.1 ; 35.42,14.44 Q1#20.2
Board_29-Net-(Q1-Pad3): length 12.3
  Top w0.25: R1#18.1 42.02,13.44 v1(42.02,12.4) ; Q1#20.3 37.52,12.75 v1(37.87,12.4) 37.87,11.35 38.59,10.63 38.59,8.78 38.52,8.71 Q2#9.3
  Bottom w0.25: v1(42.02,12.4) v1(37.87,12.4)
Board_29-Net-(Q1-Pad6): length 8.8
  Top w0.25: Q1#20.6 39.18,15.09 39.1,15.01 39.1,12.28 40.18,11.21 Q2#9.6 42.37,10.01 R2#6.2
Board_29-Out: length 7.4
  Top w0.25: R1#18.2 45.2,13.8 J2#3.2 45.2,9.99 R2#6.1
Board_29-VDD: length 19.4
  Top w0.25: 46.26,15.29 42.58,15.29 41.08,13.79 Q1#20.4 ; 46.26,15.29 J2#3.1 ; 46.26,15.29 44.41,15.29 43.2,14.07 43.2,9.52 42.38,8.71 Q2#9.4
Board_29-VSS: length 17.5
  Top w0.25: Q2#9.1 36.95,10.58 v1(36.95,11.39) ; Q1#20.1 38.52,15.09 38.59,15.01 38.59,11.77 v1(38.98,11.39)
  Bottom w0.25: J2#3.3 41.01,9.36 v1(38.98,11.39) v1(36.95,11.39)
Board_30-A: length 9.3
  Top w0.25: 53.93,9.36 Q2#11.2 ; 53.93,9.36 J1#32.3 ; 53.93,9.36 55.11,8.18 57.33,8.18 57.61,8.47 57.61,9.28 57.69,9.36 Q2#11.5
Board_30-B: length 11.8
  Top w0.25: 53.93,14.44 55.11,15.61 59.77,15.61 60.03,15.35 60.03,14.85 59.61,14.44 Q1#17.5 ; 53.93,14.44 Q1#17.2 ; 53.93,14.44 J1#32.1
